# Allegro board A523-EVB-AXP717C-LPDDR4-4X-32X1-V1-0.brd (continued)
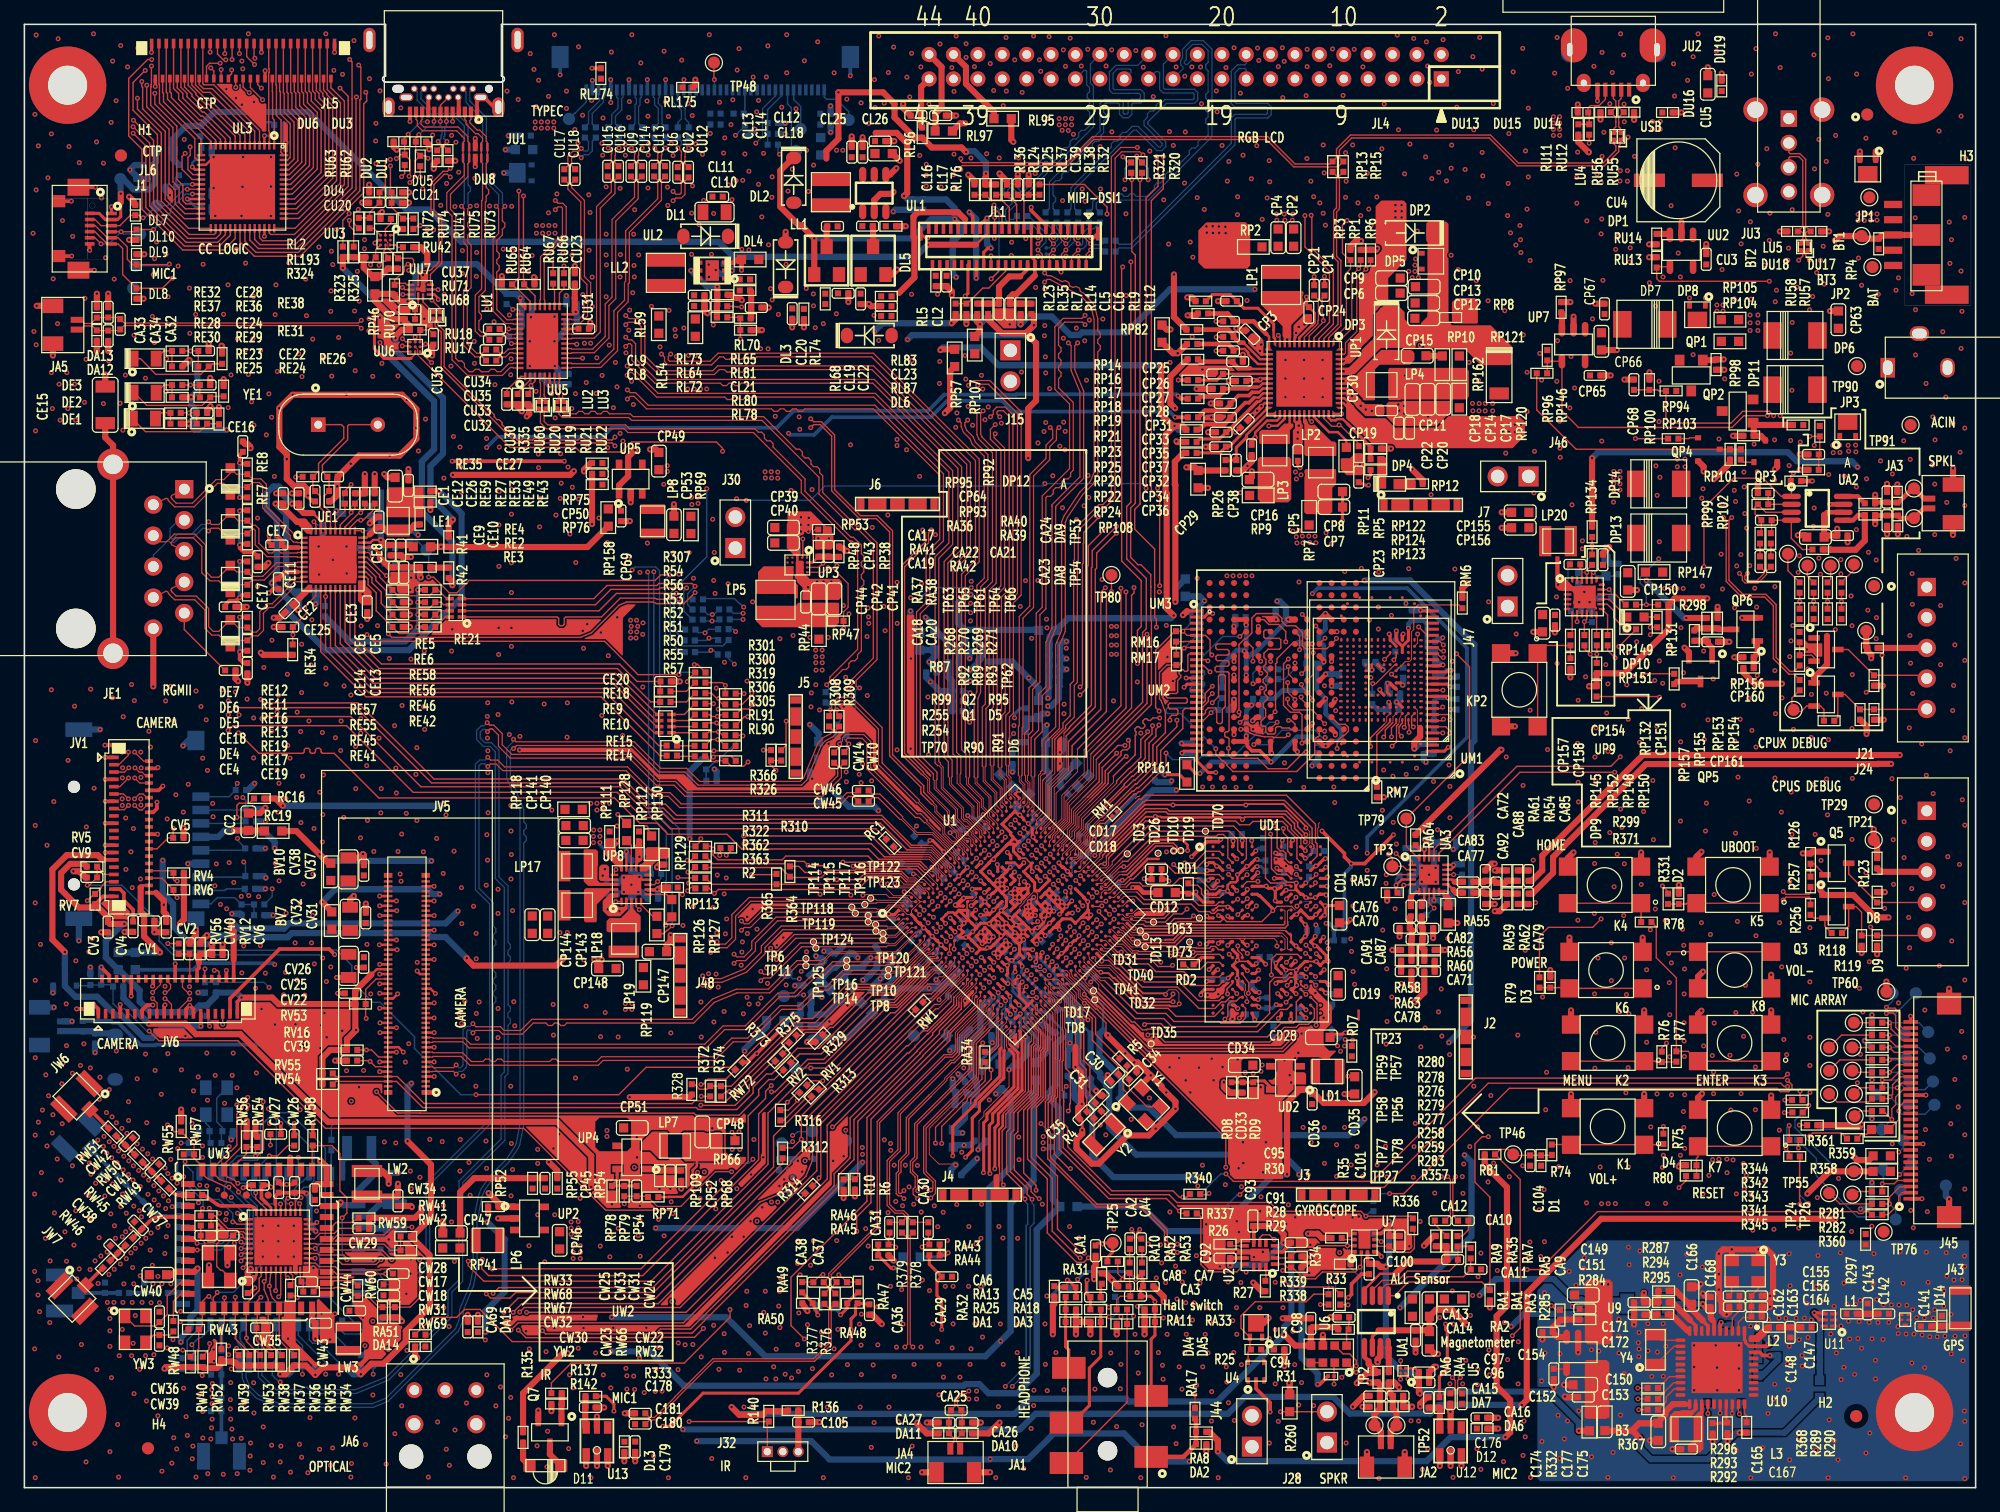
[diagram p0: board, top side]
## Nets (continued)
AP-NMI: C23.1 RP5.2 RP130.1 RP157.1 U1.AD11(NMI) UP1.37(IRQ)
AP-RESET: C24.1 R80.1 RP3.2 RP128.1 U1.AC11(RESET) UP1.1(PWROK)
AP-WAKE-BT: RW47.2 U1.AH4(PM3/S-TWI1-SDA/S-RJTAG-CK/S-PWM) UW1.49(BT_WAKE) UW2.5(BTWUP) UW3.6(BT_WAKE)
BL-PWMI: CL52.1 JL2.33(8_BL_PWMI) RL189.2 RL190.2
BLDO1: CW17.2 CW18.2 CW23.1 CW43.2 RP19.1 RP27.1 RW4.2 RW5.2 RW12.2 RW13.2 RW14.2 RW15.2 RW34.2 RW35.2 RW36.2 RW37.2 RW38.2 RW39.2 RW40.2 RW41.2 RW44.2 RW52.2 RW53.2 RW54.2 RW55.2 UW1.34(VDDIO) UW2.11(VDDIO) UW3.22(VDDIO)
BLDO2: CD26.1 CD27.1 CD36.1 RD6.2 RP21.1 RP31.1 UD1.F1(VDD1-0) UD1.F12(VDD1-1) UD1.G4(VDD1-2) UD1.G9(VDD1-3) UD1.T4(VDD1-4) UD1.T9(VDD1-5) UD1.U1(VDD1-6) UD1.U12(VDD1-7) UD2.1(EN)
BLDO3: R32.1 RP23.1 RP142.1
BLDO4: CV4.1 CV25.2 CV26.2 JV1.37(DVDD) JV5.56(P56) JV5.58(P58) JV6.37(DVDD) RP25.1
BOOT-SEL-ADC: R6.2 R10.1 U1.W2(GPADC0)
BT-PCM-CLK: U1.U2(PG11/I2S1-BCLK/PG-EINT11) UW1.22(BT_PCM_CLK) UW2.31(BT_PCMCLK) UW3.26(PCM_CLK)
BT-PCM-DIN: U1.V3(PG13/I2S1-DOUT0/I2S1-DIN1/PG-EI) UW1.20(BT_PCM_IN) UW2.33(BT_PCMDIN) UW3.27(PCM_IN)
BT-PCM-DOUT: U1.U5(PG14/I2S1-DIN0/I2S1-DOUT1/PG-EI) UW1.19(BT_PCM_OUT) UW2.32(BT_PCMDOUT) UW3.25(PCM_OUT)
BT-PCM-SYNC: U1.V2(PG12/I2S1-LRCK/PG-EINT12) UW1.21(BT_PCM_SYNC) UW2.34(BT_PCMSYNC) UW3.28(PCM_SYNC)
BT-RESETN: RW5.1 RW58.2 U1.AH5(PM2/S-TWI1-SCK/S-RJTAG-MS/S-PWM) UW1.38(BT_REG_ON) UW2.23(BT_RSTN) UW3.34(BT_RST_N)
BT-UART-CTS: RW15.1 RW55.1 RW57.2 U1.R4(PG8/UART1-RTS/PG-EINT8) UW1.43(BT_UART_CTS_N) UW2.8(BT_HCI_CTS) UW3.44(UART_CTS_N)
BT-UART-RTS: RW14.1 RW18.2 RW54.1 RW56.2 U1.U4(PG9/UART1-CTS/PG-EINT9) UW1.42(BT_UART_RTS_N) UW2.7(BT_HCI_RTS) UW3.41(UART_RTS_N)
BT-UART-RX: RW12.1 RW52.1 U1.R5(PG6/UART1-TX/PG-EINT6) UW1.41(BT_UART_RXD) UW2.9(BT_HCI_RX) UW3.43(UART_RXD)
BT-UART-TX: RW13.1 RW53.1 U1.U3(PG7/UART1-RX/PG-EINT7) UW1.40(BT_UART_TXD) UW2.10(BT_HCI_TX) UW3.42(UART_TXD)
BT-WAKE-AP: RW4.1 RW44.1 U1.AJ5(PM4/S-PWM-8/S-RJTAG-DO/S-TWI2-S) UW1.50(BT_HOST_WAKE) UW2.6(BT_INTERUPT) UW3.7(BT_HOST_WAKE)
CC1: CU20.2 DU4.2(CATHODE) JU1.A5(CC1) RU72.2 RU74.2
CC1-AXP717C: RU72.1 UP1.4(CC1)
CC2: CU21.2 DU5.2(CATHODE) JU1.B5(CC2) RU73.2 RU75.2
CC2-AXP717C: RU73.1 UP1.5(CC2)
CC-INT: R325.2 R345.1 UU3.B2(INT_N)
CHASIS-GND: CE15.2 JE1.11(SHIELD-1) JE1.12(SHIELD-0)
CLDO1: C19.1 C51.1 C58.1 C75.1 C76.1 C77.1 C78.1 C79.1 C80.1 C81.1 C82.1 RP20.2 RP51.1 RP57.1 RP67.2 RP106.1 U1.H10(VCC-MCSI) U1.H12(VCC18-PCIE) U1.H20(VCC18-EDP) U1.K21(VCC-LVDS0) U1.N23(VCC-EFUSE)
CLDO2: BL1.1 JL1.29 RL3.2 RL194.2 RL195.2 RP22.2
CLDO3: C49.1 C50.1 C55.1 C56.1 C61.1 C73.1 CP149.1 Q1.1(G) Q2.1(G) R7.2 R15.1 R28.1 R29.1 R31.2 R33.2 R42.1 R87.2 R89.2 R92.2 R93.2 R99.1 R298.1 R299.1 R323.1 R324.1 R325.1 R371.1 RC15.2 RC16.2 RL2.1 RL193.1 RP24.2 RP29.1 RP33.1 RP38.2 RP40.1 RP46.2 RP68.1 RP99.2 RU11.2 U1.AA5(VDD33) U1.J12(VCC-IO) U1.J15(VCC33-USB-2) U1.J23(VCC-PD) UP8.14(PWRON)
CLDO4: CP69.2 RP26.2 RP108.1 RP158.1 UP5.1(EN)
CLKOUT-125M: RE27.2 UE1.35(CLKOUT)
CODEC0-AVDD: CA73.1 CA75.1 CA84.1 CA93.1 RA55.2 RA57.2 UA3.10(AVCC) UA3.18(VCC_DIO)
CPUS-RX: R257.2 U1.AH8(PL3/S-UART0-RX/S-UART1-RX/S-PWM)
CPUS-TCK: J45.25 R103.1 R276.2 R347.2 TP96.1(TP)
CPUS-TDI: J45.24 R112.1 R279.2 R349.2 TP97.1(TP)
CPUS-TDO: J45.23 R105.1 R277.2 R348.2 TP98.1(TP)
CPUS-TMS: J45.26 R107.1 R278.2 R346.2 TP95.1(TP)
CPUS-TX: R256.2 U1.AJ8(PL2/S-UART0-TX/S-UART1-TX/S-PWM)
CPUSLDO: C1.1 C2.1 CP19.1 RP30.1 U1.Y12(VDD-CPUS) UP1.28(CPUSLDO)
CPUX-RX: R255.2 U1.L25(PB10/UART0-RX/TWI0-SDA/PWM-1/I2)
CPUX-TCK: R92.1 R270.2 R292.1 U1.J25(PB1/UART2-RX/SPI2-CLK/JTAG-CK/L)
CPUX-TDI: R87.1 R268.2 R296.1 U1.H28(PB3/UART2-CTS/SPI2-MISO/JTAG-DI)
CPUX-TDO: R93.1 R271.2 R285.2 U1.H27(PB2/UART2-RTS/SPI2-MOSI/JTAG-DO)
CPUX-TMS: R89.1 R269.2 R293.1 U1.J24(PB0/UART2-TX/SPI2-CS0/JTAG-MS/L)
CPUX-TX: R254.2 U1.L24(PB9/UART0-TX/TWI0-SCK/TRACE-DAT)
CPVDD: C70.1 U1.AE5(CPVDD)
CPVEE: C71.1 U1.AC5(CPVEE) U1.AE4(VEE)
CPVIN: C69.1 RP51.2 U1.AG3(CPVIN)
CTP-INT: DL7.2(CATHODE) J1.3(CTP-INT) JL1.28 JL6.2 RL90.2 TP83.1(TP) UL3.22(IRQ)
CTP-RST: CL59.1 DL10.2(CATHODE) J1.4(CTP-RST) JL1.27 JL6.5 RL91.2 TP5.1(TP) UL3.23(SHUTDOWN)
D+: DU1.2(CATHODE) JU1.A6(D2+) JU1.B6(D1+) UU7.7(DP/R)
D-: DU2.2(CATHODE) JU1.A7(D2-) JU1.B7(D1-) UU7.5(DM/L)
DCDC1: C11.1 C12.1 C13.1 C14.1 C15.1 C16.1 C17.1 C18.1 RP2.2 U1.T16(VDD-CPUL0) U1.T18(VDD-CPUL1) U1.U16(VDD-CPUL2) U1.U18(VDD-CPUL3)
DCDC2: C25.1 C26.1 C27.1 C28.1 C29.1 C83.1 C84.1 C85.1 C86.1 C87.1 C88.1 C89.1 C90.1 RP7.2 RP39.1 RP42.1 RP43.1 RP49.1 U1.H14(VDD09-PCIE) U1.H21(VDD09-EDP) U1.M12(VDD-SYS0) U1.M14(VDD-SYS1) U1.M15(VDD-SYS2)
DCDC3: CD1.1 CD2.1 CD3.1 CD4.1 CD5.1 CD6.1 CD7.1 CD12.1 CD13.1 CD14.1 CD15.1 CD16.1 RD1.2 RD2.2 RD10.2 RP9.2 U1.T20(VCC-DRAM0) U1.T21(VCC-DRAM1) U1.T22(VCC-DRAM2) U1.U21(VCC-DRAM3) U1.V21(VCC-DRAM4) U1.W21(VCC-DRAM5) U1.Y21(VCC-DRAM6) UD1.A4(VDD2-0) UD1.A9(VDD2-1) UD1.AB4(VDD2-22) UD1.AB9(VDD2-23) UD1.F5(VDD2-2) UD1.F8(VDD2-3) UD1.H1(VDD2-4) UD1.H5(VDD2-5) UD1.H8(VDD2-6) UD1.H12(VDD2-7) UD1.K1(VDD2-8) UD1.K3(VDD2-9) UD1.K10(VDD2-10) UD1.K12(VDD2-11) UD1.N1(VDD2-12) UD1.N3(VDD2-13) UD1.N10(VDD2-14) UD1.N12(VDD2-15) UD1.R1(VDD2-16) UD1.R5(VDD2-17) UD1.R8(VDD2-18) UD1.R12(VDD2-19) UD1.U5(VDD2-20) UD1.U8(VDD2-21) UP1.29(FB3)
DCDC4: RP121.1
DCICLK: R365.2 UU5.14(CDE/DCI_CLK)
DCIDATA: R364.2 UU5.11(SSDE/DCI_DATA)
DCXO-XIN: C30.1 U1.AH13(DXIN) Y1.1(XIN)
DCXO-XOUT: R5.1 U1.AJ13(DXOUT)
DDR-PARA-SEL-ADC: R8.2 R12.1 TP45.1(TP) U1.W3(GPADC1)
DDR-PARA-SEL-GPIO: R7.1 R11.2 R305.1
DM: LU1.3 RU18.1 UU7.2(USB-DM)
DMIC-CLK: J45.3 R131.1 R282.2 R351.2 TP107.1(TP)
DMIC-DATA0: J45.4 R133.1 R281.2 R352.2 TP106.1(TP)
DMIC-DATA1: J45.19 R134.1 R283.2 R353.2 TP101.1(TP)
DMIC-DATA2: J45.22 R258.2 R354.2 TP99.1(TP)
DMIC-DATA3: J45.21 R259.2 R355.2 TP100.1(TP)
DP: LU1.2 RU17.1 UU7.10(USB-DP)
DSP-TMS: J45.27 R128.1 R280.2 R350.2 TP94.1(TP)
EDP-AUXN: CL51.1 CU12.1 U1.C23(EDP-AUXN)
EDP-AUXP: CL50.1 CU2.1 U1.B23(EDP-AUXP)
EDP-BL-EN: JL2.32(9_BL_EN) RL188.2
EDP-BL-PWMI: RL187.2 RL189.1
EDP-HPD: JL2.27(14_EDP_HPD) RL176.2 RL177.1 U1.E22(EDP-HPD) UU5.32(IN_HPD)
EDP-REXT: R21.2 U1.D22(EDP-REXT)
EDP-TX0N: CL48.1 CU13.1 U1.C19(EDP-TX0N)
EDP-TX0P: CL49.1 CU6.1 U1.B19(EDP-TX0P)
EDP-TX1N: CL46.1 CU9.1 U1.B20(EDP-TX1N)
EDP-TX1P: CL47.1 CU14.1 U1.A20(EDP-TX1P)
EDP-TX2N: CL44.1 CU15.1 U1.C21(EDP-TX2N)
EDP-TX2P: CL45.1 CU16.1 U1.B21(EDP-TX2P)
EDP-TX3N: CL42.1 CU17.1 U1.B22(EDP-TX3N)
EDP-TX3P: CL43.1 CU18.1 U1.A22(EDP-TX3P)
EDPAUXN: CU12.2 UU5.25(AUXN)
EDPAUXP: CU2.2 UU5.24(AUXP)
EDPTX0N: CU13.2 UU5.10(ML0N)
EDPTX0P: CU6.2 UU5.9(ML0P)
EDPTX1N: CU9.2 UU5.13(ML1N)
EDPTX1P: CU14.2 UU5.12(ML1P)
EDPTX2N: CU15.2 UU5.16(ML2N)
EDPTX2P: CU16.2 UU5.15(ML2P)
EDPTX3N: CU17.2 UU5.19(ML3N)
EDPTX3P: CU18.2 UU5.18(ML3P)
EINT-HAL: R25.1 R339.1 U3.2(OUT) U4.5(OUT)
EPHY-CLK-25M: R59.2 RE35.1
ETA6973-NCE: R322.1 RP152.2
ETA6973-NINT: R2.1 R299.2 RP148.2
ETA6973-NPG: R298.2 R326.1 RP149.2
ETA6973-PMID: CP152.1 CP153.1 UP9.20(PMID)
ETA6973-SYS: CP155.1 CP156.1 J46.1 LP20.2 RP131.1 UP9.3(SYS1) UP9.4(SYS2)
ETA6973-VBAT: CP157.1 CP158.1 J47.1 UP9.5(BAT1) UP9.6(BAT2)
EXT-DCDC1: C3.1 C4.1 C5.1 C6.1 C7.1 C8.1 C9.1 C10.1 RP44.2 RP118.2 U1.N16(VDD-CPUB0) U1.N18(VDD-CPUB1) U1.N19(VDD-CPUB2) U1.P15(VDD-CPUB3) U1.P16(VDD-CPUB4) U1.P18(VDD-CPUB5) U1.P19(VDD-CPUB6)
EXT-DCDC2: CW19.2 CW20.2 CW24.1 CW25.1 CW40.1 RP41.2 UW1.36(VBAT) UW2.30(VBAT1) UW2.37(VBAT2) UW3.9(VBAT)
EXT-DCDC3: C43.1 C44.1 C45.1 C46.1 C47.1 RP66.2 RP119.2 U1.U9(VDD-DNR0) U1.U10(VDD-DNR1) U1.V9(VDD-DNR2) U1.V10(VDD-DNR3)
EXT-DCDC4: RP69.2 RP107.1
FEL: R331.1 R371.2 U1.E12(FEL)
GPADC2: TP74.1(TP) U1.W4(GPADC2)
GPADC3: TP75.1(TP) U1.W5(GPADC3)
GPS-3V3: B1.2 B3.2 C165.1 C171.1 R287.1 R289.1 R290.1 R294.1 U10.21(V_DCDC_IN)
GPS-GND: C143.2 C144.2 C145.2 C146.2 C148.2 C149.2 C150.2 C151.2 C152.2 C153.2 C154.2 C155.2 C156.2 C159.1 C160.1 C161.1 C163.1 C164.1 C165.2 C166.1 C167.1 C168.2 C169.2 C170.2 C171.2 C172.2 D14.1(ANODE) H2.1 J43.1(G1) R291.1 R297.2 R368.1 U8.2(G0) U8.3(G1) U8.5(G2) U9.2(GND) U10.26(PIO4) U10.28(PIO1) U10.41(EPAD) U11.1(GND0) U11.2(GND1) Y3.1(NC) Y3.2(GND)
GS-INT: R35.1 R336.1 U7.5(INT1)
GYRO-INT1: R337.1 U2.4(INT1/INT)
GYRO-INT2: R338.1 U2.9(INT2)
HBIAS: CA1.1 RA10.2 TP25.1(TP) U1.AG2(HBIAS)
HP-DET: RA17.1 U1.AF2(HP-DET)
HPOUTFB: CA3.2 CA7.1 DA5.2(CATHODE) JA1.3(C) RA33.2 RA53.2 RU78.1 U1.AH2(HPOUTFB)
HPOUTFB-C: RU78.2 UU6.A2(SENSE)
HPOUTL: CA6.1 RA13.1 RU77.1 U1.AH1(HPOUTL)
HPOUTL-C: RU77.2 UU7.3(HPOUTL)
HPOUTR: CA5.1 RA18.1 RU79.1 U1.AJ2(HPOUTR)
HPOUTR-C: RU79.2 UU7.9(HPOUTR)
HS-MIC: CA3.1 CA8.1 RA10.1 RA11.1 RA34.1 RA52.2 RU76.1
HS-MIC-C: RU76.2 UU6.C3(MIC)
I2S0-BCLK: TP80.1(TP) U1.J28(PB5/TWI1-SDA/I2S0-BCLK/TRACE-CL) UA3.1(BCLK)
I2S0-DIN: U1.K28(PB8/OWA-OUT/I2S0-DIN0/I2S0-DOUT) UA3.3(PDMDAT/DOUT)
I2S0-LRCK: TP3.1(TP) U1.J29(PB6/I2S0-LRCK/TRACE-DATA0/PWM-1) UA3.2(PDMCLK/LRCK)
I2S0-MCLK: TP79.1(TP) U1.J27(PB4/TWI1-SCK/I2S0-MCLK/TRACE-DA) UA3.20(MCLK)
INTB: RE33.2 UE1.31(INTB/PMEB)
IR-RX: J32.1(OUT) R140.1 R307.1 R360.1
IR-TX: R137.1 R306.1
JTAG-SEL: J30.1 U1.F12(JTAG-SEL)
L/R: JL1.24 RL23.1 RL35.2
LCD-BL-EN: R304.1 RL64.1
LCD-CLK: JL4.30(CTL2) RL33.2
LCD-D2: JL4.4(D2) U1.A24(PD0/LCD0-D2/LVDS0-D0P/DSI0-D0P/)
LCD-D3: JL4.5(D3) U1.B24(PD1/LCD0-D3/LVDS0-D0N/DSI0-D0N/)
LCD-D4: JL4.6(D4) U1.A25(PD2/LCD0-D4/LVDS0-D1P/DSI0-D1P/)
LCD-D5: JL4.7(D5) U1.B25(PD3/LCD0-D5/LVDS0-D1N/DSI0-D1N/)
LCD-D6: JL4.8(D6) U1.A26(PD4/LCD0-D6/LVDS0-D2P/DSI0-CKP/)
LCD-D7: JL4.9(D7) U1.B26(PD5/LCD0-D7/LVDS0-D2N/DSI0-CKN/)
LCD-D10: JL4.13(D10) U1.A27(PD6/LCD0-D10/LVDS0-CKP/DSI0-D2P)
LCD-D11: JL4.14(D11) U1.B27(PD7/LCD0-D11/LVDS0-CKN/DSI0-D2N)
LCD-D12: JL4.15(D12) U1.A28(PD8/LCD0-D12/LVDS0-D3P/DSI0-D3P)
LCD-D13: JL4.16(D13) U1.B28(PD9/LCD0-D13/LVDS0-D3N/DSI0-D3N)
LCD-D14: JL4.17(D14) RL21.2
LCD-D15: JL4.18(D15) RL22.2
LCD-D18: JL4.22(D18) RL26.2
LCD-D19: JL4.23(D19) RL27.2
LCD-D20: JL4.24(D20) RL28.2
LCD-D21: JL4.25(D21) RL29.2
LCD-D22: JL4.26(D22) RL30.2
LCD-D23: JL4.27(D23) RL31.2
LCD-DE: JL4.31(CTL3) RL34.2
LCD-HSYNC: JL4.29(CTL1) U1.G28(PD20/LCD0-HSYNC/PWM-2/UART2-TX/)
LCD-PIO0: JL4.38(VR_IO0) R320.2
LCD-PIO1: JL4.39(VG_IO1) R321.2
LCD-PIO2: JL4.40(VB_IO2) U1.K27(PB7/OWA-IN/I2S0-DOUT0/I2S0-DIN1)
LCD-PWM: JL4.32(PWM_BL) RL72.1 RL78.1 RL80.2 U1.G26(PD23/PWM-0/SPI1-WP/DBI-TE/UART2)
LCD-RST: RL32.1 U1.G25(PD22/PWM-1/SPI1-HOLD/DBI-DCX/DB)
LCD-RST-1: CL39.1 JL1.19 RL32.2 RL38.2
LCD-STBYB: JL1.21 RL25.1 RL37.2
LCD-VSYNC: JL4.28(CTL0) U1.G29(PD21/LCD0-VSYNC/PWM-3/UART2-RX/)
LCM-IOVDD: CL5.1 JL1.18 RL7.2 RL14.2
LCM-VDD33: CL6.1 JL1.16 JL1.17 RL9.2 RL12.2
LDO-X-OUT: C155.1 C156.1 C164.2 U10.2(LDO_X_OUT) Y3.4(VCC)
LED0/CFG-EXT: CE22.1 RE23.1 RE24.1 RE43.2 RE44.1 UE1.32(LED0/CFG_EXT)
LED1/CFG-LDO0: CE24.1 RE28.1 RE29.1 RE49.2 RE50.1 UE1.33(LED1/CFG_LDO0)
LED2/CFG-LDO1: CE28.1 RE32.1 RE36.1 RE53.2 RE54.1 UE1.34(LED2/CFG_LDO1)
LED+: CV6.1 JV1.28(MCLK_B) JV6.28(MCLK_B) RV12.2
LED-: JV1.29(GND10) JV6.29(GND10) QV1.3(DRAIN)
LED-EN: CV7.1 QV1.1(GATE) R340.1 RV13.2 RV14.2
LEDC: J45.2 R360.2 TP108.1(TP)
LINEOUTLN: CA18.2 U1.AD1(LINEOUTLN)
LINEOUTLP: CA20.2 U1.AD2(LINEOUTLP)
LINEOUTRN: CA10.2 U1.AE1(LINEOUTRN)
LINEOUTRP: CA12.2 U1.AE2(LINEOUTRP)
LPCLK: CW22.2 RW32.2 UW2.20(LPCLK)
LRADC0: C104.2 D1.2(CATHODE) R74.1 R81.2 TP46.1(TP) U1.Y1(LRADC0)
LRADC1: J45.20 TP73.1(TP) U1.Y2(LRADC1)
MBIAS: CA29.2 CA36.2 R332.2 R333.2 RA44.2 RA48.2 U1.AG1(MBIAS)
MBIAS1: CA80.1 UA3.5(MICBIAS1)
MBIAS2: CA81.1 UA3.13(MICBIAS2)
MCSI-MCLK-F: CV40.1 JV6.26(MCLK_F) RV56.2
MCSI-MCLK-R: CV5.1 JV1.26(MCLK_F) RV1.2
MCSI-RST-F: JV6.31(RESET_F) RV8.2 U1.M2(PE7/I2S2-LRCK/LCD1-TRIG/NCSI-D9)
MCSI-RST-R: JV1.32(RESET_B) RV4.2 U1.J5(PE9/I2S2-DIN0/NCSI-D11/PE-EINT9)
MCSI-SCK-F: JV6.34(SCL) R372.2
MCSI-SCK-R: JV1.34(SCL) RV6.2 U1.L5(PE13/TWI4-SCK/UART5-TX/SPI2-MOS)
MCSI-SDA-F: JV6.35(SDA) R373.2
MCSI-SDA-R: JV1.35(SDA) RV7.2 U1.N4(PE14/TWI4-SDA/UART5-RX/SPI2-MIS)
MCSI-STBY-F: CV8.1 JV6.30(PWDN_F) RV3.2 U1.M1(PE6/I2S2-BCLK/LCD0-TRIG/NCSI-D8)
MCSI-STBY-R: CV9.1 JV1.33(PWDN_B) RV5.2 U1.J4(PE8/I2S2-DOUT0/LCD2-TRIG/NCSI-D)
MCSIA-CKN: JV1.14(MCN_B) TP118.1(TP) U1.B2(PK4/MCSIA-CKN/TWI2-SCK/PK-EINT4)
MCSIA-CKP: JV1.15(MCP_B) TP119.1(TP) U1.B1(PK5/MCSIA-CKP/TWI2-SDA/PK-EINT5)
MCSIA-D0N: JV1.11(MDN0_B) TP116.1(TP) U1.A4(PK0/MCSIA-D0N/PK-EINT0)
MCSIA-D0P: JV1.12(MDP0_B) TP117.1(TP) U1.B4(PK1/MCSIA-D0P/PK-EINT1)
MCSIA-D1N: JV1.8(MDN1_B) TP114.1(TP) U1.A3(PK2/MCSIA-D1N/PK-EINT2)
MCSIA-D1P: JV1.9(MDP1_B) TP115.1(TP) U1.B3(PK3/MCSIA-D1P/PK-EINT3)
MCSIB-D0N: JV1.5(MDN2_B) TP112.1(TP) U1.C5(PK6/MCSIB-D0N/PK-EINT6)
MCSIB-D0P: JV1.6(MDP2_B) TP113.1(TP) U1.C4(PK7/MCSIB-D0P/PK-EINT7)
MCSIB-D1N: JV1.2(MDN3_B) TP110.1(TP) U1.E5(PK8/MCSIB-D1N/PK-EINT8)
MCSIB-D1P: JV1.3(MDP3_B) TP111.1(TP) U1.E4(PK9/MCSIB-D1P/PK-EINT9)
MCSIC-CKN: JV6.23(MCN_F) TP124.1(TP) U1.E2(PK16/MCSIC-CKN/TWI5-SCK/UART5-T)
MCSIC-CKP: JV6.24(MCP_F) TP125.1(TP) U1.E1(PK17/MCSIC-CKP/TWI5-SDA/UART5-R)
MCSIC-D0N: JV6.20(MDN0_F) TP122.1(TP) U1.C2(PK12/MCSIC-D0N/UART7-TX/TWI4-SC)
MCSIC-D0P: JV6.21(MDP0_F) TP123.1(TP) U1.C1(PK13/MCSIC-D0P/UART7-RX/TWI4-SD)
MCSIC-D1N: JV6.17(MDN1_F) TP120.1(TP) U1.D2(PK14/MCSIC-D1N/UART7-RTS/UART5-)
MCSIC-D1P: JV6.18(MDP1_F) TP121.1(TP) U1.D1(PK15/MCSIC-D1P/UART7-CTS/UART5-)
MCSID-CKN: JV5.15(P15) TP8.1(TP) U1.H2(PK22/MCSID-CKN/TWI3-SCK/PWM-6/N)
MCSID-CKP: JV5.17(P17) TP10.1(TP) U1.H1(PK23/MCSID-CKP/TWI3-SDA/PWM-7/N)
MCSID-D0N: JV5.9(P9) TP11.1(TP) U1.F1(PK18/MCSID-D0N/MCSI0-MCLK/UART6)
MCSID-D0P: JV5.11(P11) TP6.1(TP) U1.F2(PK19/MCSID-D0P/TWI2-SCK/UART6-R)
MCSID-D1N: JV5.21(P21) TP14.1(TP) U1.G2(PK20/MCSID-D1N/TWI2-SDA/UART6-R)
MCSID-D1P: JV5.23(P23) TP16.1(TP) U1.G1(PK21/MCSID-D1P/MCSI1-MCLK/UART6)
MCSID-MCLK: CV39.1 JV5.12(P12) RV2.2
MCSID-PWDN: JV5.48(P48) RV53.2 U1.L4(PE12/TWI1-SDA/UART5-CTS/SPI2-CL)
MCSID-RESET: JV5.16(P16) RV16.2 U1.N2(PE11/TWI1-SCK/UART5-RTS/SPI2-CS)
MCSID-SCK: JV5.8(P8) RV55.2 U1.K1(PE3/TWI3-SCK/UART4-RTS/PE-EINT3)
MCSID-SDA: JV5.6(P6) RV54.2 U1.L1(PE4/TWI3-SDA/UART4-CTS/PE-EINT4)
MDC: RE14.2 UE1.13(MDC)
MDI0+: DE7.1 JE1.1(TD0+) RE8.1 UE1.1(MDI[0]+)
MDI0-: DE7.2 JE1.2(TD0-) RE7.1 UE1.2(MDI[0]-)
MDI1+: DE6.1 JE1.3(TD1+) RE12.1 UE1.4(MDI[1]+)
MDI1-: DE6.2 JE1.6(TD1-) RE11.1 UE1.5(MDI[1]-)
MDI2+: DE5.1 JE1.4(TD2+) RE16.1 UE1.6(MDI[2]+)
MDI2-: DE5.2 JE1.5(TD2-) RE13.1 UE1.7(MDI[2]-)
MDI3+: DE4.1 JE1.7(TD3+) RE19.1 UE1.9(MDI[3]+)
MDI3-: DE4.2 JE1.8(TD3-) RE17.1 UE1.10(MDI[3]-)
MDIO: RE15.2 RE39.2 UE1.14(MDIO)
MIC1N-MIC: CA32.2 CA34.1 CA38.2 DA12.2(CATHODE) JA5.2 RA49.2
MIC1P-MIC: CA32.1 CA33.2 CA37.2 DA13.2(CATHODE) JA5.1 RA47.2
MIC2N-MIC: CA25.2 CA26.1 CA31.2 DA10.2(CATHODE) JA4.2 RA46.2
MIC2P-MIC: CA25.1 CA27.2 CA30.2 DA11.2(CATHODE) JA4.1 RA43.2
MIC-GND-SEL: R366.2 UU6.B2(SEL)
MICIN1N: CA38.1 R377.2 U1.AA1(MICIN1N)
MICIN1N-1: C181.1 R377.1
MICIN1P: CA37.1 R376.2 U1.AA2(MICIN1P)
MICIN1P-1: C180.1 R376.1
MICIN2N: CA31.1 R379.2 U1.AB1(MICIN2N)
MICIN2N-1: C177.1 R379.1
MICIN2P: CA30.1 R378.2 U1.AB2(MICIN2P)
MICIN2P-1: C175.1 R378.1
MICIN3N: CA4.1 U1.AC1(MICIN3N)
MICIN3P: CA2.1 U1.AC2(MICIN3P)
MIPI-DSI1-CKN: JL1.9 RL29.1 U1.E29(PD15/LCD0-D21/LVDS1-D2N/DSI1-CK)
MIPI-DSI1-CKP: JL1.8 RL28.1 U1.E28(PD14/LCD0-D20/LVDS1-D2P/DSI1-CK)
MIPI-DSI1-DN0: JL1.3 RL22.1 U1.C29(PD11/LCD0-D15/LVDS1-D0N/DSI1-D0)
MIPI-DSI1-DN1: JL1.6 RL27.1 U1.D29(PD13/LCD0-D19/LVDS1-D1N/DSI1-D1)
MIPI-DSI1-DN2: JL1.12 RL31.1 TP72.1(TP) U1.E25(PD17/LCD0-D23/LVDS1-CKN/DSI1-D2)
MIPI-DSI1-DN3: JL1.15 RL34.1 U1.F28(PD19/LCD0-DE/LVDS1-D3N/DSI1-D3N)
MIPI-DSI1-DP0: JL1.2 RL21.1 U1.C28(PD10/LCD0-D14/LVDS1-D0P/DSI1-D0)
MIPI-DSI1-DP1: JL1.5 RL26.1 U1.D28(PD12/LCD0-D18/LVDS1-D1P/DSI1-D1)
MIPI-DSI1-DP2: JL1.11 RL30.1 TP71.1(TP) U1.E26(PD16/LCD0-D22/LVDS1-CKP/DSI1-D2)
MIPI-DSI1-DP3: JL1.14 RL33.1 U1.F29(PD18/LCD0-CLK/LVDS1-D3P/DSI1-D3)
NALE: RM8.1 U1.T27(PC1/NAND-ALE/SDC2-RST/PC-EINT1) UM1.U5(RESET) UM2.G5(ALE-1) UM2.L9(ALE-0) UM3.17(ALE)
NCE0: U1.N24(PC4/NAND-CE0/SPI0-MISO/SPIF-MIS) UM2.K5(CE0#-0) UM3.9(CE1#)
NCE1: RM2.1 U1.N25(PC3/NAND-CE1/SPI0-CS0/SPIF-CS0/) UM2.H9(CE0#-1) UM3.10(CE2#)
NCLE: U1.N26(PC2/NAND-CLE/SPI0-MOSI/SPIF-MOS) UM2.G6(CLE-1) UM2.L8(CLE-0) UM3.16(CLE)
NDQ0: U1.M27(PC16/NAND-DQ0/SDC2-D7/SPI0-HOLD) UM1.J6(DAT7) UM2.F3(IO0/DQ0-1) UM2.M11(IO0/DQ0-0) UM3.29(IO0)
NDQ1: U1.M28(PC15/NAND-DQ1/SDC2-D2/SPI0-WP/S) UM1.H5(DAT2) UM2.F4(IO1/DQ1-1) UM2.M10(IO1/DQ1-0) UM3.30(IO1)
NDQ2: U1.N27(PC14/NAND-DQ2/SDC2-D6/PC-EINT14) UM1.J5(DAT6) UM2.E4(IO2/DQ2-1) UM2.N10(IO2/DQ2-0) UM3.31(IO2)
